# Allegro board MB1167.brd (continued)
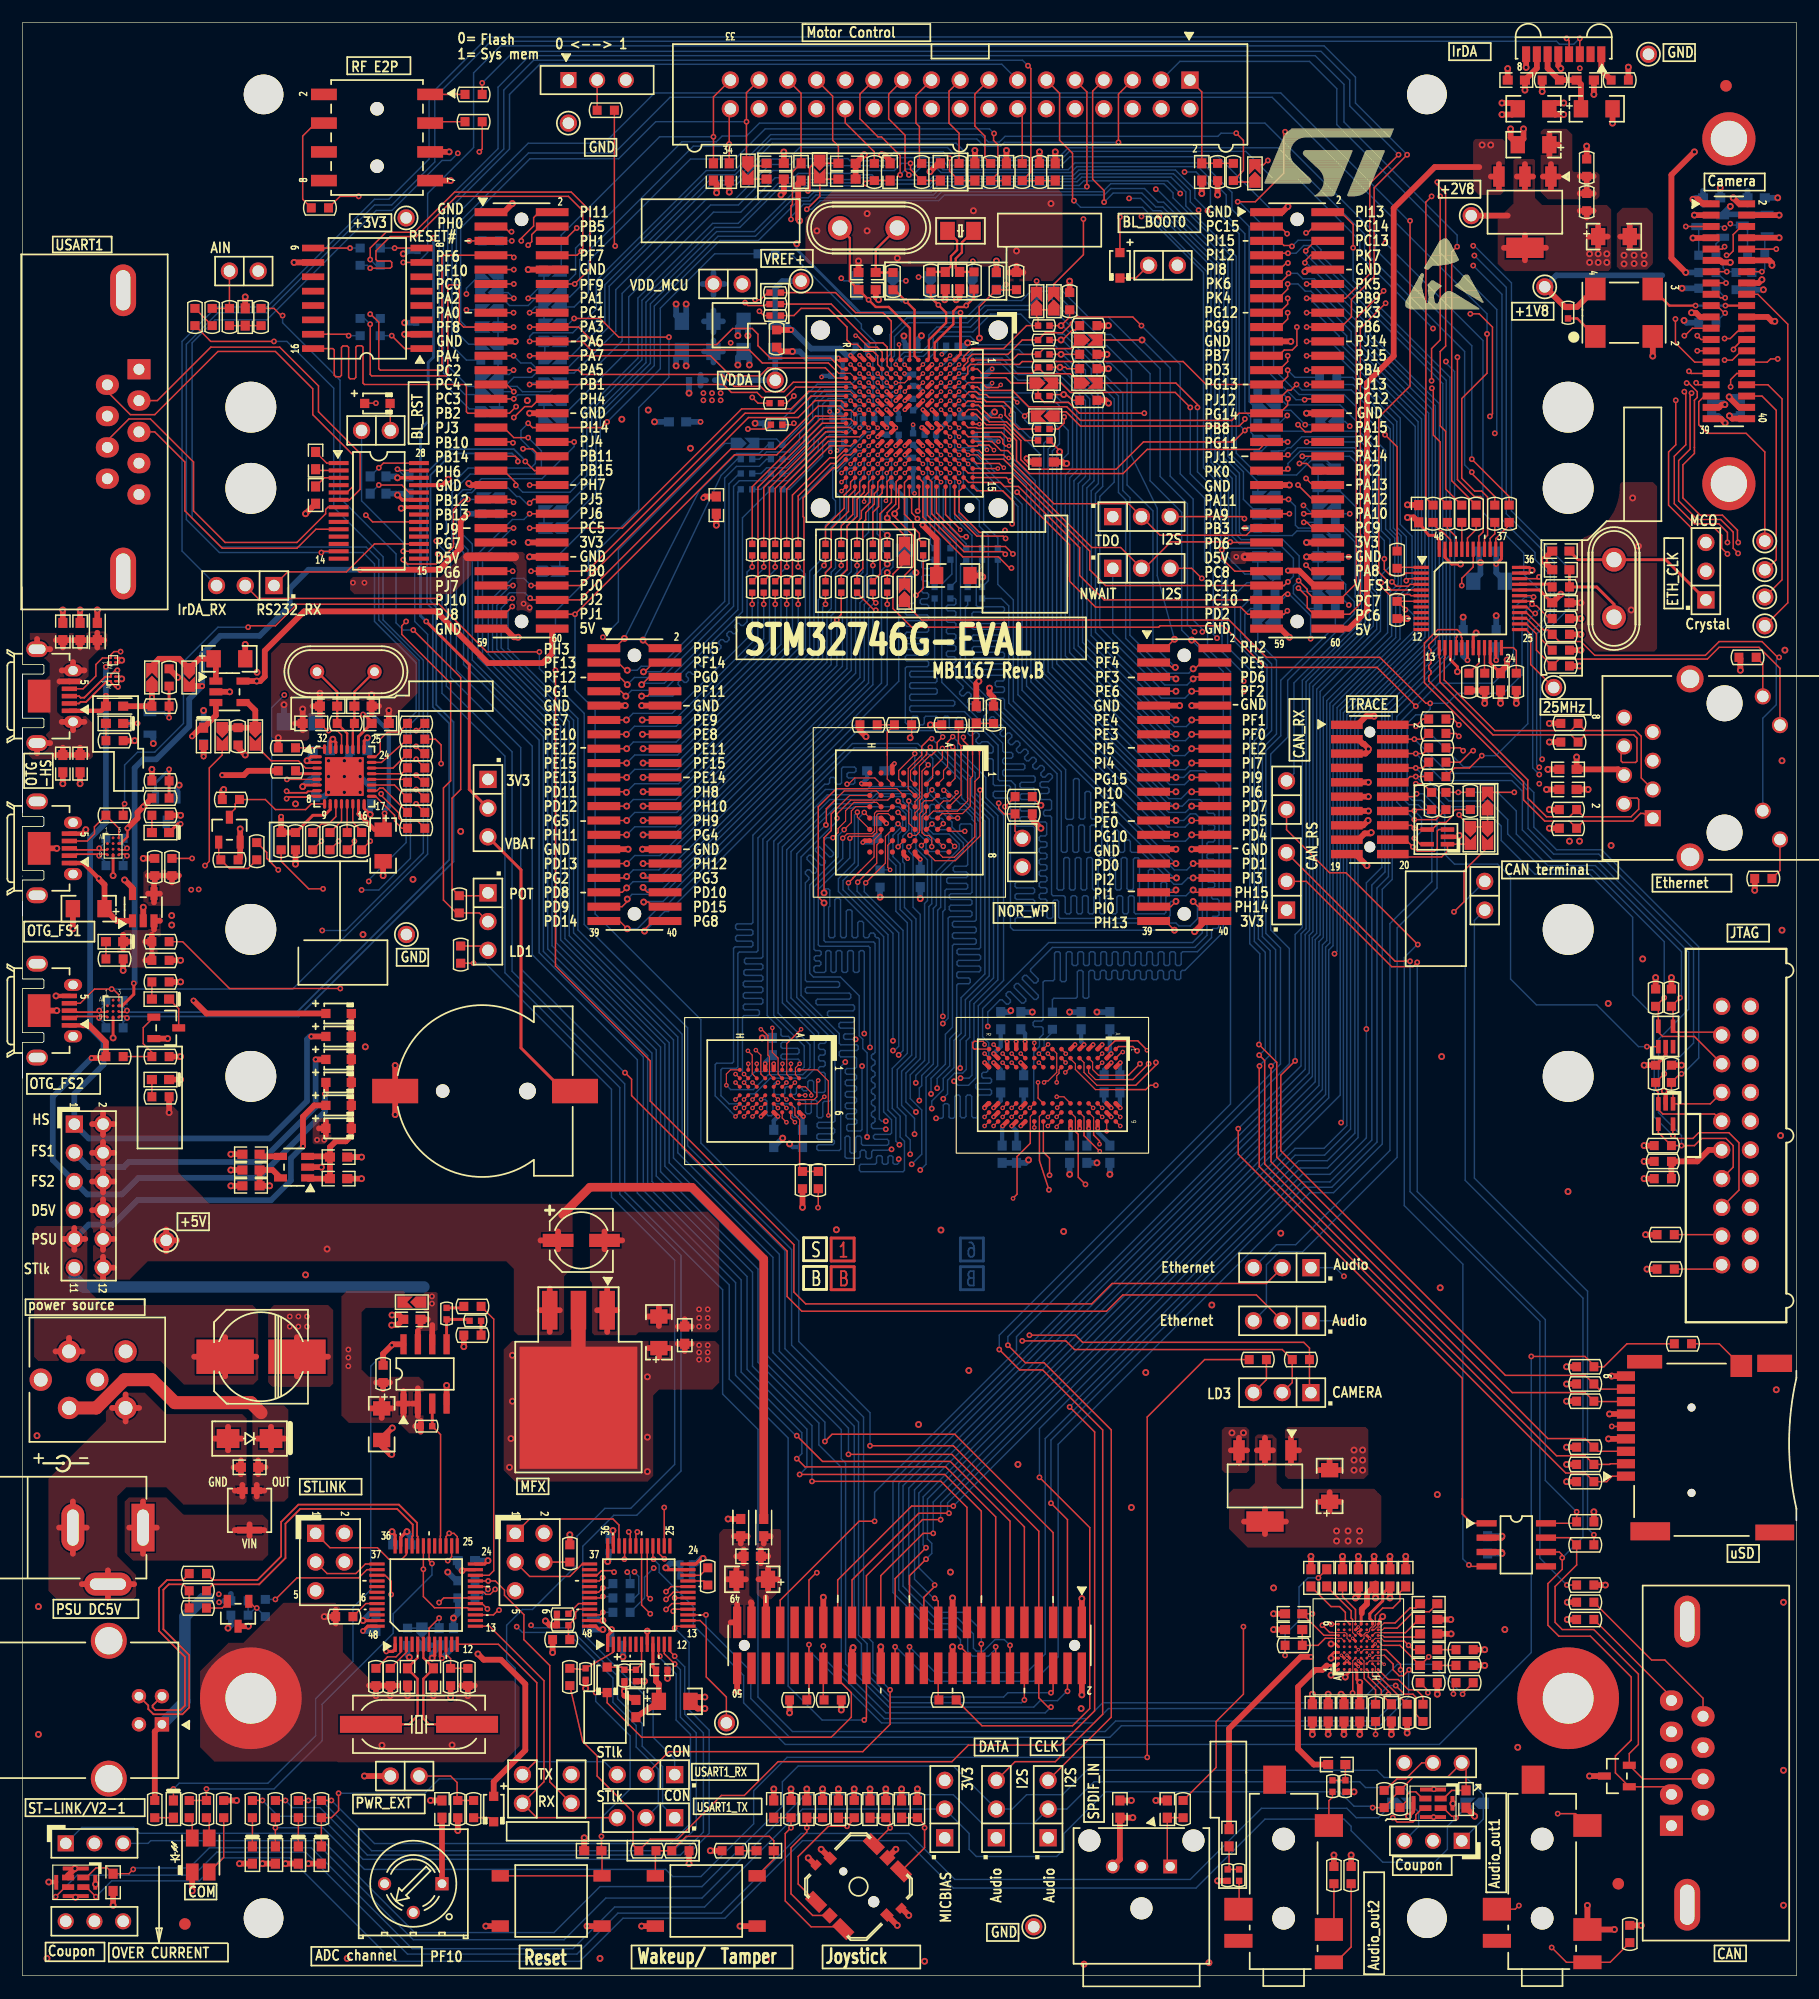
[diagram p0: board, top side]
## Routing (per net, layer and track width the routed paths; a pad name or vN(x,y) marks a point on that pad's centre or on a via; arc(x,y) is an arc through that point) (continued)
Net_246: length 0.4
  TOP w0.229: 117.36,28.08 v2(117.11,28.33)
NETB2_2: length 17.1
  TOP w0.127: B2.3 66.42,10.3 C100.2 66.42,11.94 66.04,12.32 58.67,12.32 R217.1 R216.1 55.95,10.99 B2.2
NETB3_1: length 45.4
  TOP w0.127: B3.1 68.58,8.11 68.58,10.54 71.25,13.21 v1(72.9,13.21) 73.53,13.84 R212.2 C93.2 ; U22.20 57.34,34.41 v1(56.9,33.96)
  L4_SIG w0.102: v1(56.9,33.96) 57.86,33.96 59.05,32.77 59.05,22.23 66.55,14.73 68.48,14.73 69.8,13.41 72.69,13.41 v1(72.9,13.21)
NETB3_2: length 40.4
  TOP w0.127: U22.18 v1(57.66,33.41) ; R211.2 C92.2 v1(69.34,13.08) 69.34,12.7 67.94,11.3 67.94,7.24 69.86,5.32 B3.2
  L4_SIG w0.102: v1(69.34,13.08) 68.12,14.3 66.47,14.3 58.67,22.1 58.67,32.64 57.91,33.41 v1(57.66,33.41)
NETB3_3: length 43
  TOP w0.127: B3.3 72.37,4.32 69.72,4.32 67.44,6.6 67.44,12.57 v1(67.94,13.08) R210.2 C91.2 ; U22.19 57.53,33.9 v1(56.9,33.27)
  L4_SIG w0.102: v1(56.9,33.27) 57.28,32.89 57.91,32.89 58.42,32.38 58.42,21.84 66.37,13.89 67.13,13.89 v1(67.94,13.08)
NETB3_4: length 52.8
  TOP w0.127: B3.4 79.76,11.31 v1(79.76,13.08) 79.76,13.34 R214.2 C95.2 ; v1(52.3,35.69) 52.17,35.81 51.18,35.81 50.77,35.41 U22.39
  L4_SIG w0.102: v1(79.76,13.08) 78.49,14.35 70.26,14.35 68.99,15.62 66.55,15.62 59.74,22.43 59.74,33.1 58.19,34.65 53.14,34.65 52.3,35.48 v1(52.3,35.69)
NETB3_6: length 46.5
  TOP w0.127: C94.2 R213.2 76.71,13.59 v1(76.71,13.07) B3.6 ; U22.40 50.99,34.9 v1(51.29,35.2)
  L4_SIG w0.102: v1(76.71,13.07) 75.94,13.84 70,13.84 68.73,15.11 66.67,15.11 59.33,22.46 59.33,33 57.91,34.42 52.07,34.42 v1(51.29,35.2)
NETBT1_1: length 26.2
  TOP w0.254: BT1.1 47.88,78.23 44.07,82.04 44.07,97.79 JP9.3
NETC2_1: length 6.9
  TOP w0.508: C4.1 137.79,167.26 C2.1 R1.2 134.85,168.68 U1.6
NETC5_1: length 10
  TOP w0.508: U2.1 135.14,160.21 ; U2.1 135.14,158 ; U2.1 134.43,159.11 ; U2.1 135.85,159.11 ; C5.1 135.84,161.93 ; C5.1 135,162.89 ; C5.1 135,160.96 ; 137.69,157.61 R15.2 ; R15.2 138.91,157.61 ; R15.2 138.3,158.2 ; 138.3,158.53 R6.1 ; R6.1 137.69,159.13 ; R6.1 138.91,159.13
NETC6_2: length 49.3
  TOP w0.127: C6.2 65.55,160.04 64.17,160.04 64.01,160.2 v1(64.01,163.96) 64.01,166.53 CN1.31
  BOTTOM w0.127: SB34.1 39.24,145.8 38.73,146.3 38.73,154.56 44.86,160.68 52.7,160.68 55.98,163.96 v1(64.01,163.96)
NETC7_2: length 83
  TOP w0.127: C7.2 72.14,161.8 71.63,162.31 71.63,166.21 CN1.27
  TOP w0.155: v1(69.44,157.84) 69.6,157.99 69.6,159.89 69.98,160.27 C7.2
  BOTTOM w0.127: 116.2,133.1 SB48.1 115.32,133.99 113.92,133.99 112.65,132.72 109.25,132.72 107.31,134.65 107.31,152.04 102.86,156.5 102.86,157.75 101.55,159.05 93.65,159.05 93.24,158.65 80.82,158.65 80.16,157.99 69.82,157.99 69.67,157.84 v1(69.44,157.84)
NETC8_2: length 28.2
  TOP w0.127: C8.2 v1(61.09,162.62) 61.09,166.15 CN1.33
  BOTTOM w0.127: SB23.1 47.62,153.92 56.32,162.62 v1(61.09,162.62)
NETC9_2: length 33.6
  TOP w0.127: C9.2 v1(62.48,161.99) 62.48,165 CN1.34
  BOTTOM w0.127: 41.32,148.34 41.53,148.12 42.63,148.12 43.05,147.7 44.7,147.7 45.47,148.46 48.39,148.46 49.28,149.35 49.28,151.76 59.31,161.8 62.29,161.8 v1(62.48,161.99)
NETC10_2: length 78.9
  TOP w0.127: v1(67.94,155.32) 67.94,156.51 68.07,156.64 68.07,159.51 C10.2 68.83,166.47 CN1.29
  BOTTOM w0.127: v1(67.94,155.32) 67.94,155.55 69.06,156.67 69.8,156.67 70.36,157.23 80.72,157.23 81.25,157.76 95.5,157.76 96.22,158.47 100.91,158.47 101.73,157.66 101.73,157.23 106.93,152.02 106.93,134.42 109.22,132.13 SB50.1 109.22,130.56
NETC11_1: length 47.6
  TOP w0.127: C11.1 R7.2 74.8,158.75 74.55,158.5 v1(74.52,158.5)
  BOTTOM w0.127: SB53.2 50.32,132.23 50.32,137.85 55.12,142.65 55.12,147.99 61.37,154.24 64.71,154.24 68.2,157.73 68.66,157.73 69.22,158.29 74.14,158.29 74.35,158.5 v1(74.52,158.5)
NETC12_2: length 46.5
  TOP w0.127: C12.2 R8.1 78.51,159.74 v1(78.51,160.27)
  BOTTOM w0.127: SB44.2 53.59,143.76 53.59,148.46 61.09,155.96 63.5,155.96 66.55,159 68.2,159 68.58,159.38 73.18,159.38 73.43,159.64 77.09,159.64 77.72,160.27 v1(78.51,160.27)
NETC13_2: length 56.4
  TOP w0.127: v1(81.97,160.73) 81.97,159.59 R9.1 C13.2
  BOTTOM w0.127: 40.56,141.4 41.16,140.8 42.89,140.8 43.43,141.35 45.02,141.35 45.4,141.73 48.77,141.73 52.45,145.41 52.45,149.1 60.45,157.1 62.99,157.1 66.07,160.17 67.87,160.17 68.39,160.7 72.97,160.7 73.17,160.5 76.28,160.5 77.07,161.29 81.41,161.29 v1(81.97,160.73)
NETC14_2: length 52.6
  TOP w0.127: v1(85.9,162.92) 85.85,162.86 85.85,162.31 86.23,161.93 86.23,159.38 R10.1 C14.2
  BOTTOM w0.127: v1(85.9,162.92) 85.5,163.32 65.66,163.32 62.99,160.66 59.05,160.66 50.04,151.64 50.04,148.84 48.77,147.57 SB31.2
NETC15_1: length 92.6
  TOP w0.127: v1(88.9,168.91) 89.15,168.66 89.15,159.51 R11.2 R12.1 C15.1
  BOTTOM w0.127: 40.64,139.83 SB40.2 39.12,139.83 37.21,141.73 37.21,156.21 42.55,161.54 42.55,166.75 45.19,169.39 88.42,169.39 v1(88.9,168.91)
NETC16_2: length 10.6
  TOP w0.127: CN1.1 104.27,166.59 C16.2 R13.1 R14.1
NETC17_1: length 1.7
  TOP w0.127: C17.1 64.32,158.88 64.14,159.05
NETC18_2: length 78.4
  TOP w0.127: v1(69.34,156.21) 70.49,157.36 70.49,159 SB1.1 ; C18.2 70.87,158.88
  BOTTOM w0.127: v1(69.34,156.21) 69.77,156.21 70.54,156.97 81,156.97 81.51,157.48 95.66,157.48 96.22,158.05 99.2,158.05 100.41,156.84 100.89,156.84 106.22,151.51 106.22,134.24 107.59,132.87 107.59,127.64 107.87,127.36 112.27,127.36 112.67,127.76 115.32,127.76 SB56.1
NETC20_1: length 6.3
  TOP w0.203: R19.2 C20.1 75.44,152.65 X1.2
NETC21_1: length 5.7
  TOP w0.203: X2.1 82.63,153.46 82.63,152.6 82.09,152.06 82.09,151.17 C21.1 R17.1
NETC22_1: length 5.7
  TOP w0.203: X2.2 83.06,153.28 83.06,152.4 82.51,151.85 82.51,151.02 C22.1 R18.1
NETC24_2: length 2.8
  TOP w0.127: R29.1 C24.2 R30.1
NETC25_1: length 2.4
  TOP w0.127: C25.1 26.89,133.77 U5.1
NETC25_2: length 2.1
  TOP w0.127: C25.2 26.02,133.12 U5.2
NETC27_2: length 2.4
  TOP w0.127: U5.3 26.67,132.47 C27.2
NETC30_1: length 13.9
  TOP w0.254: C30.1 137.54,125.22 X4.1 145.29,125.22 JP6.1
NETC31_2: length 7.2
  TOP w0.254: X4.2 140.72,121.28 139.19,122.81 R73.2 C31.2
NETC32_1: length 12.8
  TOP w0.127: v5(81.21,134.49) U4.E11
  TOP w0.508: v1(79.58,128.29) 79.58,128.29 80.7,127.18 80.82,127.05 C32.1
  BOTTOM w0.127: v5(81.21,134.49) 80.83,134.11 80.16,134.11 80.01,133.96 80.01,132.59 79.88,132.46
  BOTTOM w0.381: v1(79.58,128.29) 79.76,128.47 79.76,130.77 79.78,130.79 79.78,132.36 79.88,132.46
NETC34_1: length 21.4
  TOP w0.508: C43.1 4.17,107.95 ; C43.1 3.56,108.6 ; C43.1 2.95,107.95 ; 5.01,114.46 CN8.5 3.26,114.46 ; 1.28,108.1 CN8.9 2.44,109.01 ; C44.1 5.69,107.95 ; C44.1 4.47,107.95 ; C44.1 5.08,108.6 ; 4.47,118.11 C35.1 ; C35.1 5.69,118.11 ; C35.1 5.08,117.46 ; CN8.6 5.46,110.88 ; CN8.6 4.46,110.14 ; CN8.6 3.46,110.88 ; L1.2 6.6,118.76 ; L1.2 5.99,118.11 ; L1.2 7.21,118.11 ; L1.2 6.6,117.46 ; 2.44,117.31 CN8.8 1.28,118.21 ; C34.1 4.17,118.11 ; C34.1 2.95,118.11 ; C34.1 3.56,117.46 ; CN8.7 5.46,115.43 ; CN8.7 3.46,115.43 ; CN8.7 4.46,116.17
NETC36_1: length 8.8
  TOP w0.508: U7.1 17.09,116.26 C36.1 15.62,116.46 SB13.2 13.84,116.46 12.07,116.46 11.43,115.82 SB12.1
NETC38_1: length 8
  TOP w0.203: X5.1 27.81,113.54 C38.1 R87.2 28.7,109.86 U8.28
NETC39_1: length 7.6
  TOP w0.203: U8.27 29.2,110.61 R87.1 C39.1 29.34,113.54 X5.2
NETC40_1: length 12.4
  TOP w0.102: 84,107.95 84,106.07 83.79,105.87 83.79,103.45 83.11,102.77 81.31,102.77 U9.B5
  TOP w0.127: R85.2 C40.1 84,110.41 84,107.95
NETC41_1: length 5
  TOP w0.127: U8.29 28.2,109.72 27.81,110.11 v1(27.05,110.11) 26.92,110.11 C41.1
  BOTTOM w0.127: v1(27.05,110.11) 26.67,110.11 C142.1
NETC42_1: length 19.4
  TOP w0.254: U8.15 29.7,102.74 ; v1(30.1,111.53) 30.23,111.53 30.86,110.9 C42.1 29.7,109.58 U8.26
  TOP w0.381: v1(32,102.79) 32,101.47 C47.1 31.11,101.35 29.97,102.49 29.95,102.49 29.7,102.74
  BOTTOM w0.381: v1(32,102.79) 32,103 32.38,103.38 32.38,110.03 30.89,111.53 v1(30.1,111.53)
NETC49_2: length 1.9
  TOP w0.508: C49.2 21.15,72.45 U16.4
NETC50_2: length 19.9
  TOP w0.508: U16.1 25.27,70.48 C52.2 C50.2 ; C50.2 27.18,73.28 27.69,73.79 28.57,73.79 29.06,74.28 D12.2 D11.2 D10.2 D9.2 D8.2 D7.2 ; C50.2 27.12,72.45 U16.3
NETC60_1: length 27.3
  TOP w0.508: C60.1 21.48,44.96 ; C60.1 20.83,44.35 ; C60.1 20.83,45.57 ; 21.97,46.46 Z1.2 ; Z1.2 23.17,47.5 ; Z1.2 21.97,48.54 ; Z1.2 20.76,47.5 ; 20.7,42.38 D13.3 ; D13.3 21.37,42.89 ; D13.3 20.7,43.4
  TOP w1.143: 21.08,49.78 20.19,50.67 13.46,50.67 11.43,52.7 9.02,52.7 6.52,50.2 L3.1
NETC60_2: length 27
  TOP w0.508: Z1.1 19.37,47.5 ; Z1.1 16.96,47.5 ; Z1.1 18.17,48.54 ; Z1.1 18.17,46.46 ; CN17.3 4.45,41.94 ; CN17.3 4.45,37.31 ; CN17.3 5.66,39.62 ; CN17.3 3.23,39.62 ; 19.3,44.35 C60.2 ; C60.2 18.66,44.96 ; C60.2 19.3,45.57 ; L3.2 10.3,50.2 ; L3.2 9.1,49.01 ; L3.2 9.1,51.4 ; L3.2 7.91,50.2 ; 5.23,34.62 CN17.2 ; CN17.2 9.86,34.62 ; CN17.2 7.54,35.84 ; CN17.2 7.54,33.4 ; 19.43,42.38 19.43,42.89 ; 19.43,42.89 18.76,42.89 ; 19.43,42.89 19.43,43.4
NETC62_1: length 9
  TOP w0.508: 65.53,38.21 L5.2 66.14,38.86 ; C62.1 65.93,37.08 ; C62.1 65.28,36.47 ; C62.1 65.28,37.69 ; 65.91,35.05 66.75,35.05 ; 65.91,35.05 65.07,35.05 ; 65.91,35.05 65.91,34.09 ; 65.91,35.05 65.91,36.02 ; CN20.45 65.72,33.46
NETC62_2: length 11.3
  TOP w0.508: C70.2 63.96,35.05 ; C70.2 63.12,34.09 ; C70.2 62.28,35.05 ; C70.2 63.12,36.02 ; 64.39,33.02 64.45,32.96 CN20.47 ; C62.2 63.75,37.69 ; C62.2 63.11,37.08 ; C62.2 63.75,36.47 ; 62.61,31.24 CN20.49 63.18,32.84 ; 63.5,38.21 L4.2 ; L4.2 62.89,38.86 ; L4.2 64.11,38.86
NETC63_2: length 5.2
  TOP w0.127: C63.2 115.7,32.64 116.46,32.64 116.97,32.13 116.97,31.48 U23.C9
NETC64_1: length 5.4
  TOP w0.089: U23.D7 117.61,30.34 117.61,31.49 117.6,31.5
  TOP w0.127: C64.1 117.47,32.26 117.47,31.62 117.6,31.5
NETC64_2: length 60.5
  TOP w0.127: R223.2 140.37,1.18 CN26.2 136.51,1.18 v1(135.2,2.49) ; R177.1 v1(111.63,28.32) ; v1(114.58,35.18) 114.68,35.28 114.68,35.31 C64.2
  L4_SIG w0.102: v1(111.63,28.32) 111.63,18.41 119.89,10.16 127.64,10.16 130.81,6.99 130.81,4.19 132.51,2.49 v1(135.2,2.49)
  BOTTOM w0.127: v1(111.63,28.32) 111.63,30.17 112.87,31.4 112.87,34.38 113.67,35.18 v1(114.58,35.18)
NETC65_1: length 3.8
  TOP w0.089: U23.D9 117.86,31.5
  TOP w0.127: C65.1 116.71,33.53 117.86,32.38 117.86,31.5
NETC69_1: length 7.2
  TOP w0.089: 119.61,31.5 119.61,31.01 119.61,31 119.61,30.98 119.46,30.84 119.26,30.84 119.11,30.69 119.11,30.48 118.96,30.33 118.76,30.33 118.61,30.19 118.61,29.84 118.36,29.59 U23.E6
  TOP w0.127: C69.1 121.79,33.91 121.79,33.15 121.16,32.51 120.27,32.51 119.61,31.86 119.61,31.5
NETC71_1: length 6.2
  TOP w0.089: U23.H8 120.25,30.58 120.4,30.73
  TOP w0.127: C71.1 124.38,32.18 122.99,32.18 121.54,30.73 120.4,30.73
NETC71_2: length 5.2
  TOP w0.089: 120.4,31.19 120.04,30.83 119.76,30.83 119.51,30.58 U23.G8
  TOP w0.127: 120.4,31.19 121.36,31.19 122.68,32.51 123.19,32.51 C71.2
NETC72_2: length 47.7
  TOP w0.127: U23.A7 116.34,30.1 115.06,30.1 C72.2 v1(114.05,32)
  L4_SIG w0.102: JP17.1 83.69,14.35 83.69,17.91 85.98,20.19 98.77,20.19 110.07,31.5 113.54,31.5 v1(114.05,32)
NETC73_1: length 4.8
  TOP w0.089: U23.G7 119.36,30.08 119.61,30.33 119.96,30.33 119.96,30.33 120.4,30.33
  TOP w0.127: C73.1 123.44,31.5 122.28,30.33 120.4,30.33
NETC74_2: length 5.5
  TOP w0.089: 115.82,29.84 116.61,29.84 U23.B6
  TOP w0.127: 115.82,29.84 115.18,29.84 114.55,29.21 R177.2 C74.2
NETC75_1: length 3.9
  TOP w0.089: 120.4,29.95 120.26,30.08 U23.H7
  TOP w0.127: 120.4,29.95 123.29,29.95 C75.1
NETC76_1: length 34.9
  TOP w0.089: U23.G6 119.61,29.84 120.15,29.84 120.4,29.59
  TOP w0.127: CN26.4 131.99,5.88 v1(132.31,6.2) ; C76.1 122.94,28.83 v1(122.56,29.21) 122.18,29.59 120.4,29.59
  L4_SIG w0.102: v1(122.56,29.21) 124.08,27.69 125.86,27.69 127.95,25.59 127.95,21.15 132.31,16.79 v1(132.31,6.2)
NETC76_2: length 1.7
  TOP w0.127: C76.2 R178.1
NETC77_1: length 28.6
  TOP w0.089: U23.H6 120.23,29.21 120.4,29.21
  TOP w0.127: CN26.6 137.32,14.33 v1(135.74,14.33) ; 120.4,29.21 121.79,29.21 C77.1 v1(124.33,28.19)
  L4_SIG w0.102: v1(135.74,14.33) 135.28,14.33 128.22,21.39 128.22,25.96 125.98,28.19 v1(124.33,28.19)
NETC77_2: length 1.7
  TOP w0.127: C77.2 R179.1
NETC78_2: length 7.7
  TOP w0.279: U22.9 55.73,27.33 C78.2
  TOP w0.508: C78.2 56.01,26.04 56.26,25.78 C82.1 56.13,24.13 L6.2
NETC79_2: length 5.1
  TOP w0.127: U22.7 54.73,27.55 C79.2 R182.1 52.98,27.29 D16.1
NETC87_1: length 4
  TOP w0.127: U23.F1 119,26.94 119,26.42 120.14,25.27 120.14,24.89 C87.1
NETC88_1: length 2.5
  TOP w0.127: C88.1 R197.1 R196.1
NETC88_2: length 13.1
  TOP w0.254: 115.32,27.43 116.21,27.43 U23.A2
  TOP w0.508: 115.32,27.43 114.93,27.04 114.29,27.04 112.78,25.53 112.78,20.07 114.17,18.67 C88.2
NETC97_1: length 5.8
  TOP w0.127: CN28.1 101.22,9.91 C97.1 R215.2
NETC98_1: length 3.1
  TOP w0.127: C98.1 106.68,9.53 R219.2 R220.2
NETC98_2: length 22.2
  TOP w0.229: U23.B3 v2(116.61,28.33)
  TOP w0.508: v1(113.92,28.19) 113.03,28.19 106.68,21.84 C98.2
  L4_SIG w0.381: v2(116.61,28.33) 116.24,28.7 114.43,28.7 v1(113.92,28.19)
NETC100_1: length 1.5
  TOP w0.127: C100.1 R218.2
NETC134_2: length 3.2
  TOP w0.127: U5.27 33.25,133.12 v1(33.15,133.22)
  BOTTOM w0.127: v1(33.15,133.22) 33.78,132.59 C134.2
NETC136_1: length 4.9
  TOP w0.127: v1(31.5,131.83) 33.53,131.83 34.19,131.17 U5.24
  BOTTOM w0.127: v1(31.5,131.83) C136.1
NETC136_2: length 4.8
  TOP w0.127: U5.28 31.91,133.77 v1(31.5,133.35)
  BOTTOM w0.127: v1(31.5,133.35) C136.2
NETC137_2: length 9.2
  TOP w0.254: U6.23 130.27,116.37 v1(130.3,116.33) ; U6.18 v1(127.77,116.33) ; v1(130.3,124.84) 130.77,125.31 U6.37
  BOTTOM w0.508: C139.1 130.3,124.08 v1(130.3,124.84) C137.2 ; v1(127.77,116.33) 127.38,116.72 C141.2 ; C140.1 v1(130.3,116.33)
NETC138_1: length 10.4
  TOP w0.127: U4.L11 v5(75.61,134.49)
  BOTTOM w0.127: v5(75.61,134.49) 75.99,134.11 76.61,134.11 76.83,133.88 76.83,132.41
  BOTTOM w0.381: 76.83,132.41 76.83,132.03 77.11,131.75 77.11,131.57 78.11,130.58 78.11,126.19 C138.1
NETCN1_3: length 78
  L4_SIG w0.102: v1(130.18,136.4) 129.67,135.89 129.67,132.59 125.22,128.14 121.67,128.14 117.27,123.75 v1(117.27,121.21)
  BOTTOM w0.127: v1(130.18,136.4) 130.35,136.58 130.35,147.35 125.35,152.35 125.35,154.56 116.2,163.7 116.2,166.88 113.79,169.29 102.33,169.29 CN1.3 ; SB62.2 116.08,122.4 v1(117.27,121.21)
NETCN1_5: length 64.9
  TOP w0.127: v1(96.9,162.13) 96.9,166.4 CN1.5
  BOTTOM w0.127: v1(96.9,162.13) 86.82,162.13 86.49,161.8 85.01,161.8 84.38,162.43 66.17,162.43 62.99,159.26 60.58,159.26 51.1,149.78 51.1,146.74 48.82,144.45 47.7,144.45
NETCN1_9: length 79.4
  TOP w0.127: CN1.9 94.11,166.59 v1(94.11,158.22)
  BOTTOM w0.127: SB59.1 47.5,125.73 51.08,129.31 51.08,137.62 55.85,142.39 55.85,147.65 61.65,153.45 65.05,153.45 68.55,156.95 69.62,156.95 70.15,157.48 80.52,157.48 81.08,158.04 93.93,158.04 v1(94.11,158.22)
NETCN1_11: length 56
  TOP w0.127: CN1.11 91.69,166.47 91.69,162.31 92.84,161.16 92.84,157.1 v1(92.96,156.97)
  BOTTOM w0.127: SB58.2 110.74,125.98 110.49,126.24 106.68,126.24 106.3,126.62 106.3,132 104.75,133.55 104.75,150.67 99.03,156.39 93.55,156.39 v1(92.96,156.97)
NETCN1_13: length 84.2
  BOTTOM w0.127: SB39.1 47.37,140.84 46.61,140.08 44.2,140.08 43.73,140.55 39.41,140.55 37.59,142.37 37.59,156.08 43.05,161.54 43.05,166.37 45.72,169.04 86.58,169.04 CN1.13
NETCN1_14: length 5
  TOP w0.127: R11.1 88.39,164.69 CN1.14
NETCN1_15: length 8.5
  TOP w0.127: CN1.15 84.2,166.4 84.2,163.58 85.09,162.69 85.09,160.78 R10.2
NETCN1_17: length 8.1
  TOP w0.127: R9.2 82.8,162.94 81.92,163.83 81.92,166.65 CN1.17
NETCN1_19: length 8.1
  TOP w0.127: CN1.19 78.99,166.27 78.99,163.83 79.3,163.53 79.3,160.48 R8.2
NETCN1_21: length 62.4
  TOP w0.127: v1(78.37,159.25) 78.37,159.31 78.03,159.65 78.03,162.76 76.58,164.21 76.58,166.4 CN1.21
  BOTTOM w0.127: SB46.2 108.58,136.53 108.58,137.82 108.08,138.33 108.08,154.05 106.43,155.7 106.43,157.48 103.92,159.98 93.21,159.98 92.68,159.46 81.2,159.46 80.59,160.07 79.55,160.07 78.73,159.25 v1(78.37,159.25)
NETCN1_23: length 62.2
  TOP w0.127: CN1.23 74.04,166.4 74.04,164.21 75.64,162.61 75.95,162.61 77.6,160.96 v1(77.6,159.26)
  BOTTOM w0.127: 109.22,138.43 108.46,139.19 108.46,154.69 106.93,156.21 106.93,157.71 104.33,160.31 93.05,160.31 92.46,159.72 81.38,159.72 80.75,160.35 79.32,160.35 78.73,159.77 78.11,159.77 v1(77.6,159.26)
NETCN1_26: length 5.9
  TOP w0.127: CN1.26 72.74,163.86 75.31,161.29 R7.1
NETCN2_1: length 3.1
  TOP w0.127: R3.2 CN2.1
NETCN2_3: length 3.1
  TOP w0.127: R5.2 36.16,163.96 CN2.3
NETCN2_4: length 9
  TOP w0.127: CN2.4 25.91,163.83 24.77,162.69 24.77,157.1 R16.1
NETCN3_1: length 4.8
  TOP w0.127: CN3.1 R29.2 R28.1
NETCN4_15: length 179.9
  TOP w0.127: v1(150.62,149.69) CN4.15 ; U22.33 53.23,36.98 53.21,36.96 v1(53.21,36.83)
  L4_SIG w0.102: v1(53.21,36.83) 54.1,37.72 75.18,37.72 116.33,78.87 116.33,87.05 131.04,101.75 131.04,106.4 134.37,109.73 136.75,109.73 141.02,114 142.82,114 146.18,117.35 153.47,117.35 155.19,119.08 155.19,133.86 153.8,135.25 153.8,146.52 v1(150.62,149.69)
  BOTTOM w0.127: R229.2 150.62,149.86 v1(150.62,149.69)
NETCN4_17: length 176.2
  TOP w0.127: v1(53.59,39.24) 53.73,39.1 U22.32 ; v1(150.55,148.39) 150.12,148.39 149.81,148.69 CN4.17
  L4_SIG w0.102: v1(150.55,148.39) 151.08,148.39 153.42,146.05 153.42,135 154.81,133.6 154.81,130.18 153.03,128.4 153.03,120.27 150.5,117.73 146.05,117.73 142.68,114.36 140.91,114.36 136.53,109.98 134.11,109.98 130.68,106.55 130.68,101.8 115.95,87.07 115.95,78.99 75.06,38.1 54.74,38.1 v1(53.59,39.24)
  BOTTOM w0.127: R231.1 150.55,148.41 v1(150.55,148.39)
NETCN4_18: length 32.2
  TOP w0.127: TP7.1 156.08,121.41 156.08,146.05 153.44,148.69 CN4.18
NETCN4_19: length 173.6
  TOP w0.127: v1(54.36,39.24) 54.23,39.12 U22.31 ; v1(150.55,147.04) 150.47,147.04 149.82,147.69 CN4.19
  L4_SIG w0.102: v1(54.36,39.24) 55.24,38.35 74.95,38.35 115.7,79.1 115.7,87.17 130.43,101.9 130.43,106.81 133.86,110.24 136.42,110.24 140.85,114.67 142.61,114.67 146.43,118.49 150.37,118.49 152.65,120.78 152.65,128.78 154.43,130.56 154.43,133.35 153.03,134.75 153.03,145.54 151.54,147.04 v1(150.55,147.04)
  BOTTOM w0.127: v1(150.55,147.04) 149.73,146.23 R235.1
NETCN4_32: length 155
  TOP w0.127: JP23.1 113.79,51.69 R301.1 113.79,55.5 113.28,56.01 93.73,56.01 93.09,56.64 v1(89.03,56.64) ; CN4.32 151.57,141.69 151.03,141.15 v1(151.03,140.51)
  L4_SIG w0.102: v1(151.03,140.51) 151.49,140.51 152.25,139.75 152.25,134.9 153.44,133.71 153.44,130.73 150.01,127.3 150.01,123.27 149.66,122.91 148.03,122.91 142.32,117.2 139.27,117.2 138.66,116.59 135.53,116.59 132.33,113.39 128.09,113.39 125.5,110.79 125.5,107.29 126.52,106.27 126.72,106.27 128.27,104.72 128.27,102.44 127.51,101.68 126.21,101.68 125.22,100.68 125.22,99.79 117.89,92.46 116.36,92.46 111.96,88.06 111.96,78.56 90.04,56.64 v1(89.03,56.64)
NETCN4_33: length 63.1
  TOP w0.127: v1(147.98,140.87) 148.16,140.69 CN4.33 ; v1(110.11,160.53) 109.73,160.15 SB5.1
  L4_SIG w0.102: v1(147.98,140.87) 149.48,142.37 150.88,142.37 151.12,142.61 151.12,143.01 150.85,143.28 150.85,143.99 151.38,144.53 151.38,145.16 150.88,145.67 150.11,145.67 149.31,146.47 149.31,156.76 147.37,158.7 126.42,158.7 125.65,159.46 111.18,159.46 v1(110.11,160.53)
NETCN4_34: length 21.8
  TOP w0.127: TP8.1 155.57,123.44 155.57,139.45 154.33,140.69 CN4.34
NETCN4_35: length 18.1
  TOP w0.127: CN4.35 148.71,139.69 148.21,139.19 148.21,137.16 148.97,136.4 152.4,136.4 154.05,134.75 TP11.1
NETCN4_36: length 17.7
  TOP w0.127: TP10.1 154.18,124.33 155.07,125.22 155.07,138.43 153.8,139.69 CN4.36
NETCN5_3: length 40.6
  TOP w0.127: v1(43.23,154.23) 43,154.23 42.55,154.69 CN5.3
  L4_SIG w0.102: v1(78.11,149.88) 77.87,150.11 73.03,150.11 70.54,152.6 55.8,152.6 53.26,155.14 45.77,155.14 44.86,154.23 v1(43.23,154.23)
  BOTTOM w0.127: 76.93,149.88 v1(78.11,149.88)
NETCN5_5: length 3.1
  TOP w0.127: v1(39.5,153.42) CN5.5
  BOTTOM w0.127: R224.2 v1(39.5,153.42)
NETCN5_6: length 29.3
  TOP w0.127: CN5.6 47.85,153.42 v1(49,154.56)
  L4_SIG w0.102: v1(72.39,150.11) 71.88,150.11 69.77,152.22 55.55,152.22 53.21,154.56 v1(49,154.56)
  BOTTOM w0.127: 73.76,149.88 72.62,149.88 v1(72.39,150.11)
NETCN6_3: length 37.4
  TOP w0.127: v1(111.81,154.05) 111.18,154.69 CN6.3
  L4_SIG w0.102: v1(79.22,150.22) 79.98,150.22 80.34,150.57 87.68,150.57 91.31,154.2 111.66,154.2 v1(111.81,154.05)
  BOTTOM w0.127: v1(79.22,150.22) 80.24,150.22 SB26.2
NETCN6_4: length 35
  TOP w0.127: v1(113.49,154.13) 113.61,154.13 114.17,154.69 CN6.4
  L4_SIG w0.102: v1(84.02,151.61) 84.71,150.93 87.5,150.93 91.16,154.58 111.94,154.58 112.39,154.13 v1(113.49,154.13)
  BOTTOM w0.127: SB25.2 83.95,151.54 v1(84.02,151.61)
NETCN7_2: length 32.2
  TOP w0.127: CN7.2 11.91,139.29 16.64,144.02 22.73,144.02 26.16,140.59 26.16,138.3 29.84,134.62 29.84,131.44 28.92,130.52 U5.6
NETCN7_3: length 25.1
  TOP w0.127: U5.10 25.93,127.91 24.26,126.24 17.65,126.24 14.35,129.54 14.35,133.86 11.68,136.53 CN7.3
NETCN7_6: length 34.9
  TOP w0.127: CN7.6 7.49,140.08 9.53,138.05 11.68,138.05 17.27,143.64 22.35,143.64 25.65,140.34 25.65,138.05 29.21,134.49 29.21,131.7 28.68,131.17 U5.5
NETCN7_8: length 30.4
  TOP w0.127: CN7.8 7.49,135.76 9.4,137.67 11.3,137.67 15.11,133.86 15.11,129.54 17.91,126.75 24.26,126.75 26.8,129.29 26.8,129.67 27,129.87 U5.7
NETCN8_2: length 27.8
  TOP w0.155: v1(8.44,113.97) 8.2,113.97 7.8,114.37 D4.A1 7.8,114.49 7.46,114.49 5.61,112.64 5.12,112.64 4.99,112.51 CN8.2 ; U8.8 25.65,104.29 25.59,104.35 25.39,104.35 25.26,104.23 23.48,104.23 v1(23.34,104.09)
  L4_SIG w0.13: v1(23.34,104.09) 23.2,104.23 22.74,104.23 21.38,105.59 20.62,105.59 11.6,114.6 9.47,114.6 8.84,113.97 v1(8.44,113.97)